# Altium PCB QUDONG.PcbDoc
Units mil, origin at the board's own origin, x right, y up, seen from the top; angles counter-clockwise.
Board outline 2667.32 x 1742.13 mil, 2 copper layers (Top Layer, Bottom Layer); 45 components, 26 nets, 119 pads, 18 vias.
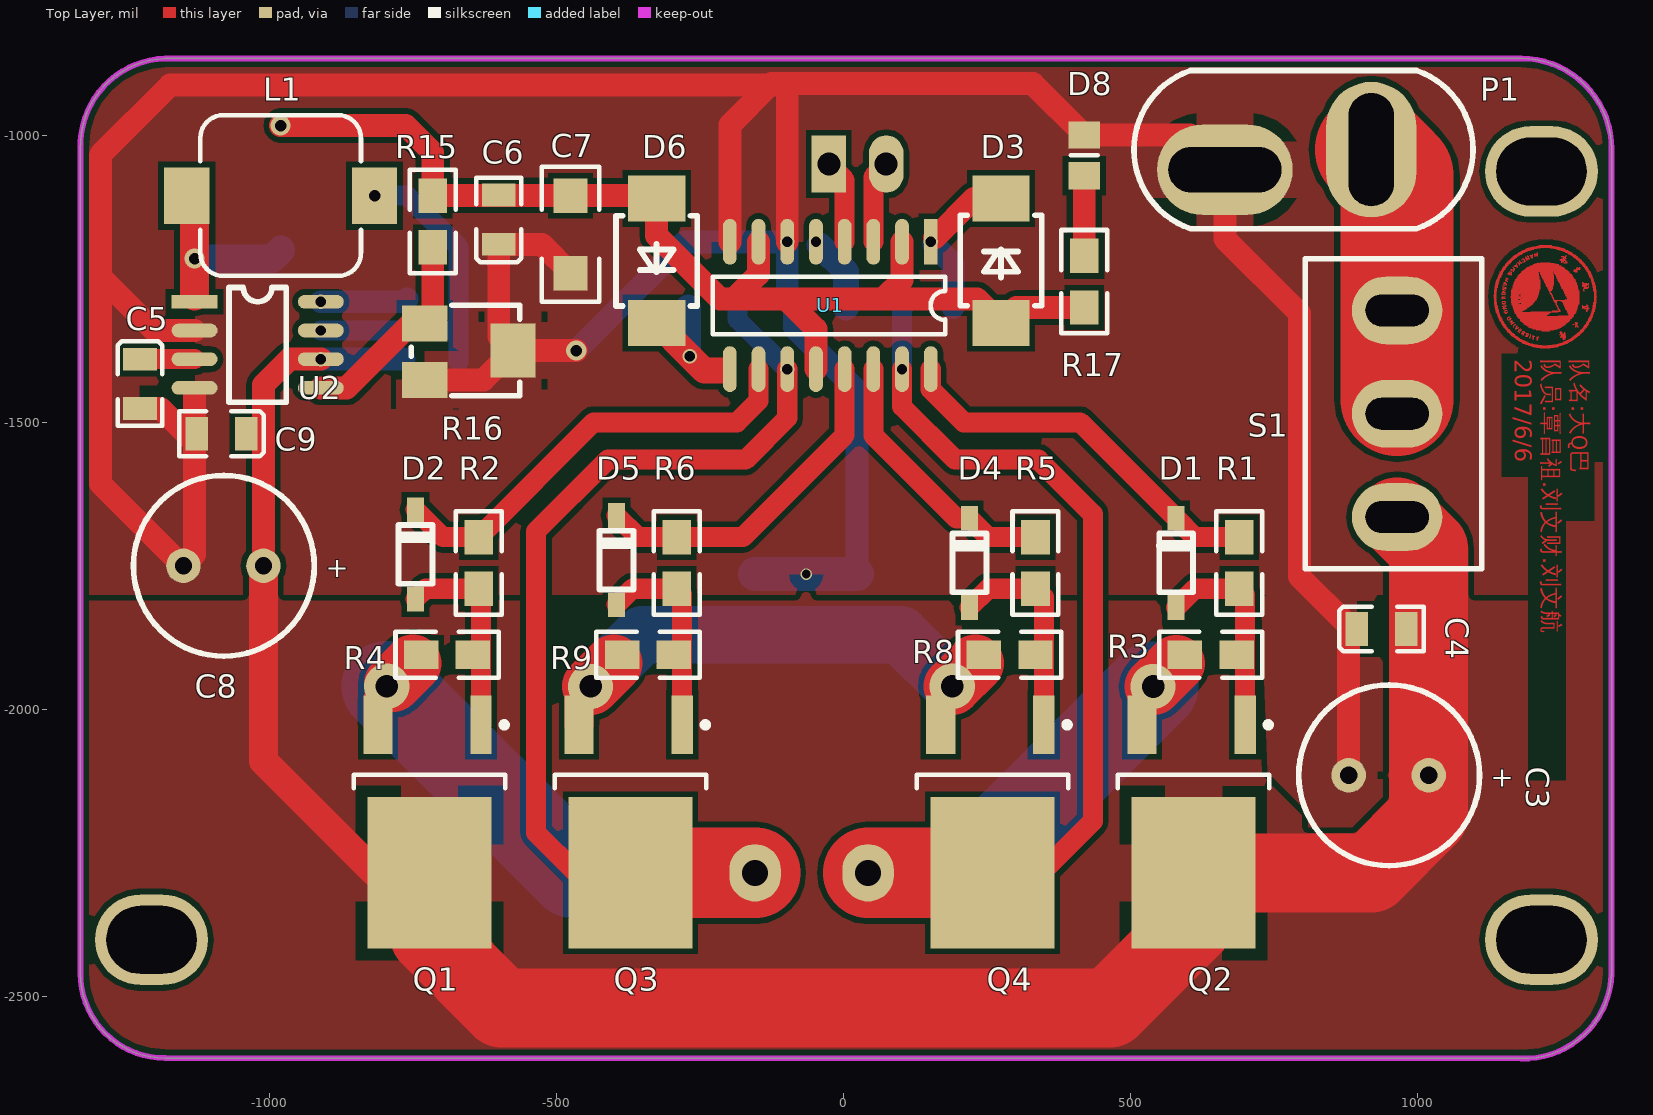
[diagram p0: Top Layer view]
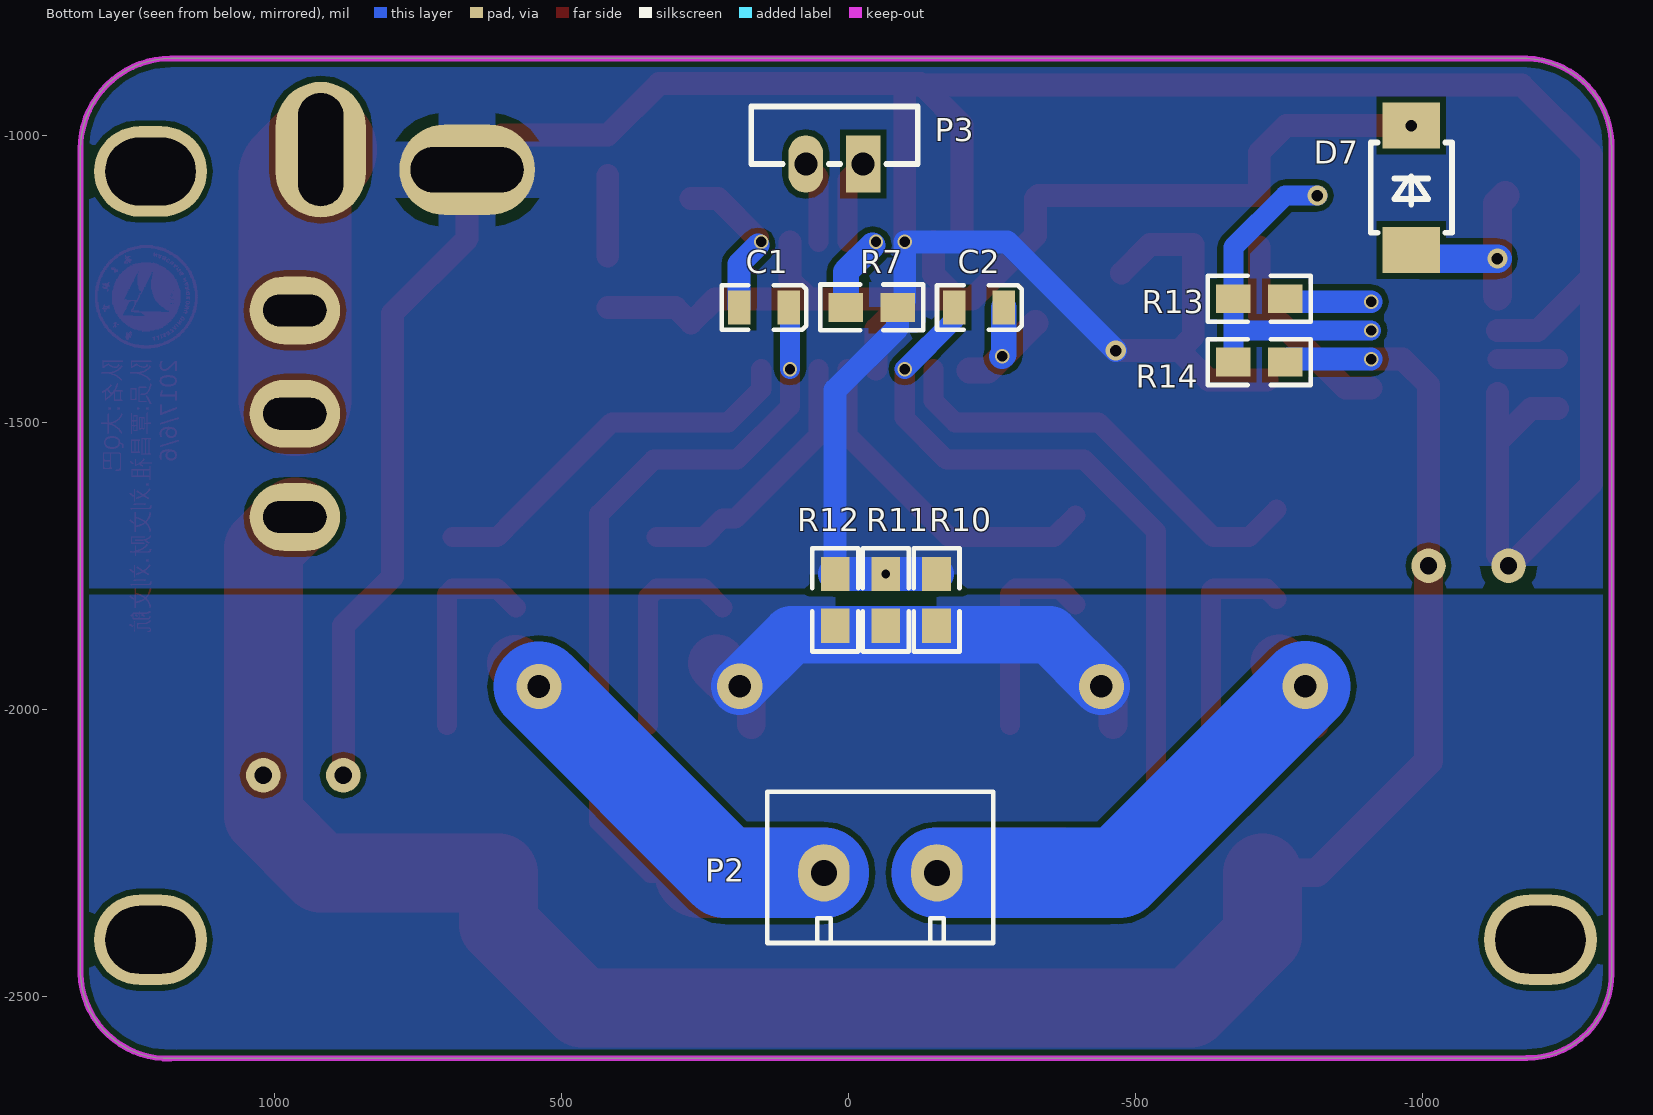
[diagram p1: Bottom Layer view, seen from below]
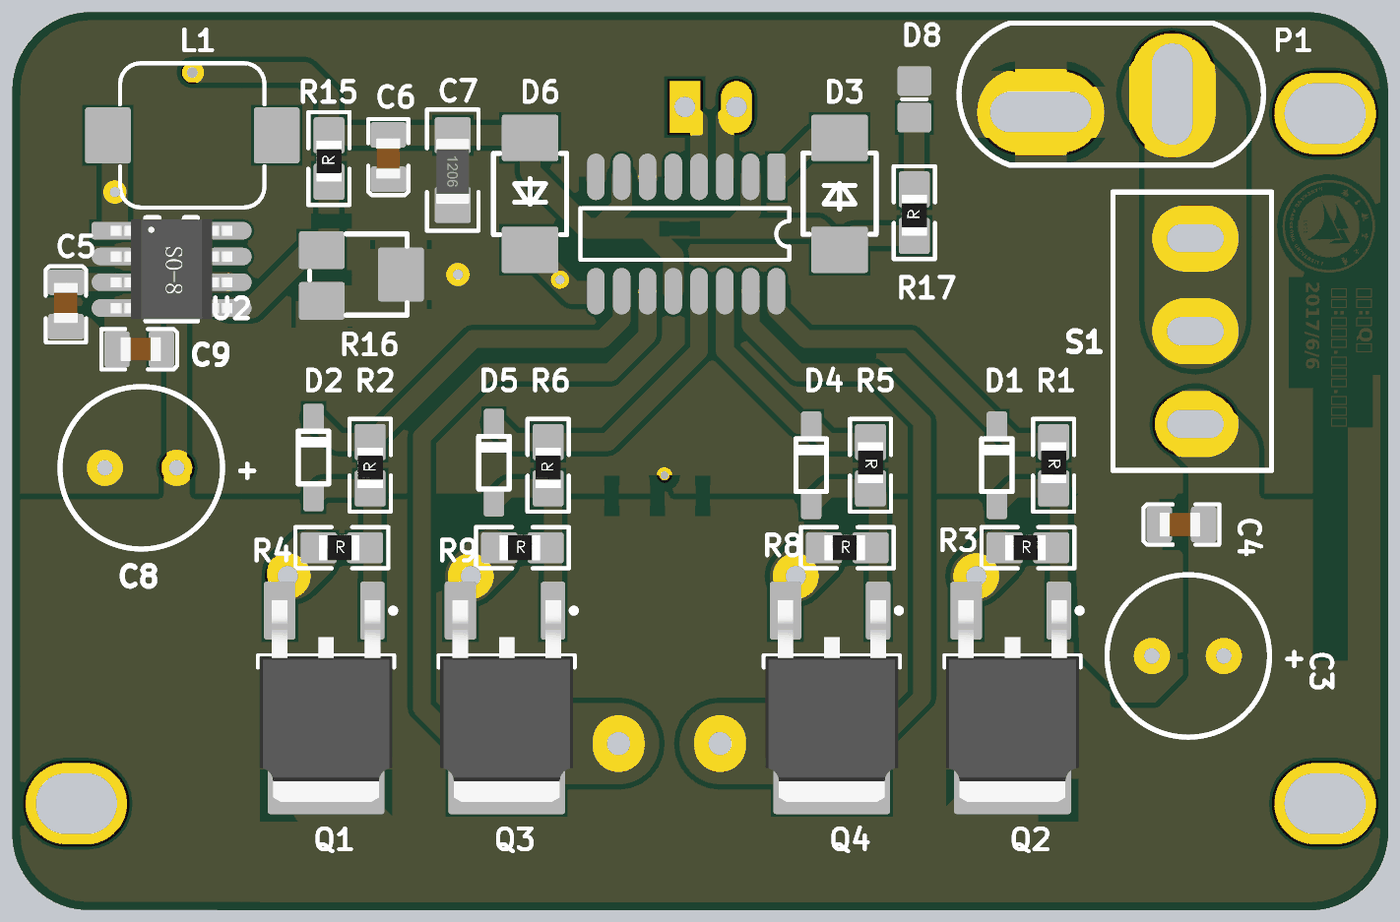
[diagram p2: 3D render of the assembled board from above, using the file's embedded part models]
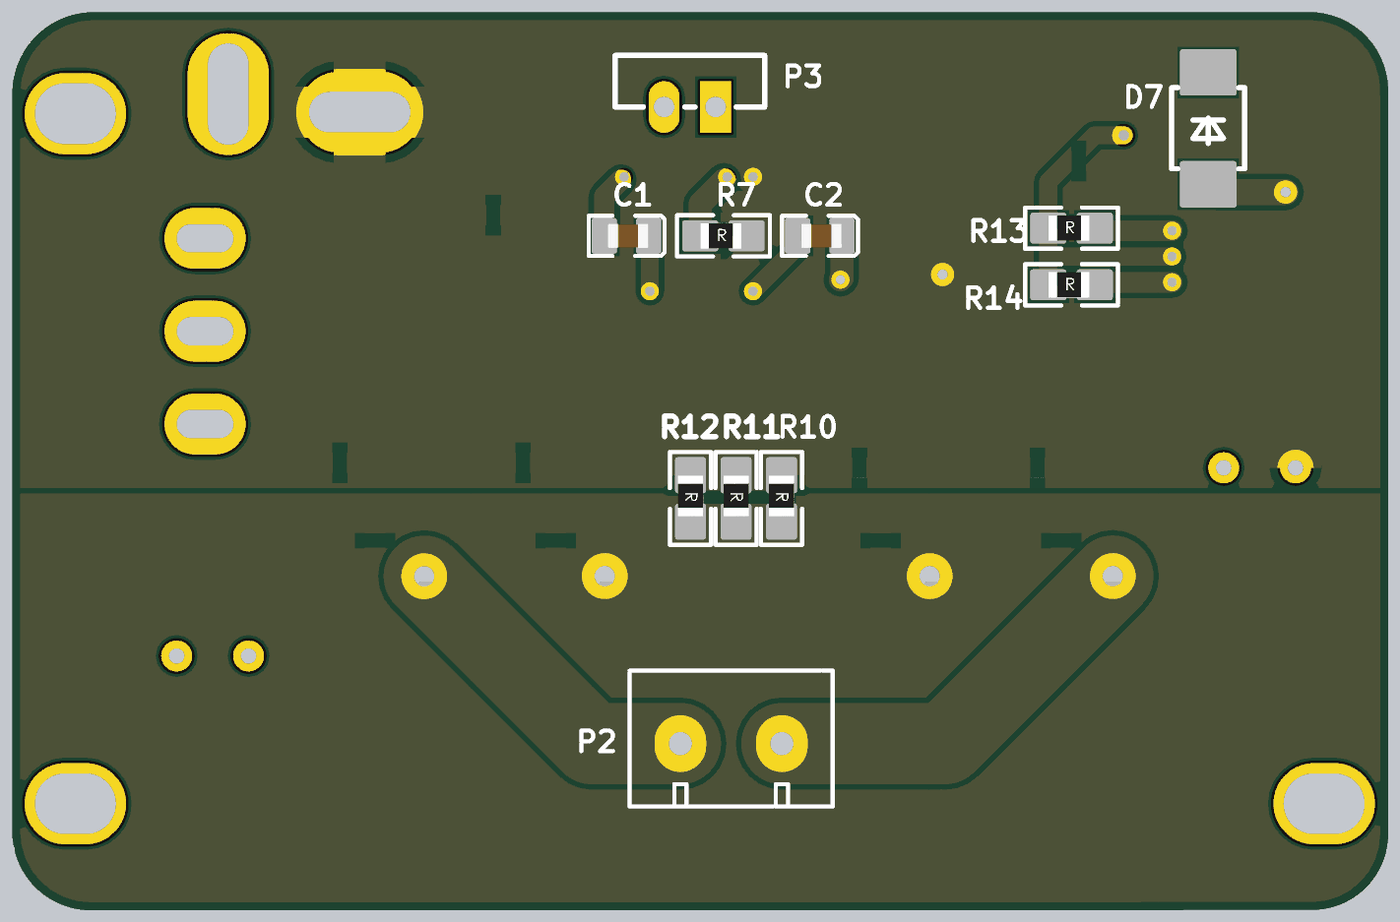
[diagram p3: 3D render of the assembled board from below, using the file's embedded part models]

## Layer stack, top to bottom
Top Solder: solder mask 0.4, Solder Resist, Dk 3.5
Top Layer: signal copper 1.4
Dielectric 1: dielectric 12.6, FR-4, Dk 4.8
Bottom Layer: signal copper 1.4
Bottom Solder: solder mask 0.4, Solder Resist, Dk 3.5

## Board outline
-1328.74,-2460.63 -1328.74,-1023.62 cw(c-1176.18,-1018.7) -1181.1,-866.14 1181.1,-866.14 cw(c1181.1,-1023.62) 1338.58,-1023.62 1338.58,-2460.63 cw(c1186.02,-2455.71) 1181.1,-2608.27 -1181.1,-2607.61 cw(c-1181.43,-2460.3)

## Design rules (kind name [scope] priority, off if disabled: settings)
Clearance [All] p1: gap=10
ComponentClearance [All] p1: gap=10 collisioncheckmode=3 verticalgap=0 showdistances=FALSE
HoleSize [All] p1: absolutevalues=TRUE maxlimit=200 minlimit=6 maxpercent=80.000 minpercent=20.000
MinimumSolderMaskSliver [All] p1: minsoldermaskwidth=2
PasteMaskExpansion [All] p1: expansion=5
PlaneClearance [All] p1: clearance=30
PlaneConnect [All] p1: planeconnectstyle=Relief reliefexpansion=30 reliefentries=4 reliefconductorwidth=100 reliefairgap=20
PolygonConnect [All] p1: connectstyle=Relief reliefconductorwidth=100 reliefentries=4 polygonreliefangle="90 Angle" airgapwidth=20
RoutingVias [All] p1: holewidth=20 width=50 viastyle="Through Hole" minholewidth=6 minwidth=6 maxholewidth=196.85 maxwidth=196.85
SilkToSilkClearance [All] p1: silktosilkclearance=0
SilkToSolderMaskClearance [IsPad] p1: minsilkscreentomaskgap=0 clearancetoexposedcopper=TRUE
SolderMaskExpansion [All] p1: expansion=5
Width D_GND [InNet('D_GND')] p1: maxlimit=200 minlimit=40 preferedwidth=150
Width GND [InNet('GND')] p2: maxlimit=200 minlimit=30 preferedwidth=150
Width power [InNet('NetC4_1')] p3: maxlimit=200 minlimit=40 preferedwidth=140
Width [All] p4: maxlimit=200 minlimit=20 preferedwidth=35
22 further rules are at their usual default settings.

## Components (designator, comment, footprint, x,y, rotation, side; value= is the part's Value field where it differs from the comment)
C1 "1uF" C-0805 105,-1300 r0 bottom
C2 "1uF" C-0805 -270,-1300 r0 bottom
C3 "Cap Pol2" CAP-E1 1020,-2115 r0 top
C4 "Cap" C-0805 895,-1860 r0 top
C5 "Cap" C-0805 -1225,-1390 r270 top
C6 "Cap" C-0805 -600,-1190 r90 top
C7 "Cap Pol2" 1206 -475,-1105 r270 top
C8 "Cap Pol2" CAP-E1 -1010,-1750 r0 top
C9 "Cap" C-0805 -1040,-1520 r180 top
D1 "SS14" SOT-123 580,-1745 r90 top
D2 "SS14" SOT-123 -745,-1730 r90 top
D3 "SS14" DO214AA 275,-1222 r90 top
D4 "SS14" SOT-123 220,-1745 r90 top
D5 "SS14" SOT-123 -395,-1740 r90 top
D6 "SS14" DO214AA -325,-1215 r270 top
D7 "SS14" DO214AA -980,-1095 r90 bottom
D8 "LED0" 6-0805_N 420,-1035 r90 top
L1 "220uH" L-SMD-7 -980,-1105 r0 top
P1 "Header 2" T型插头(公) 920,-1025 r180 top
P2 "Header 2" 接线柱 -55,-2285 r180 bottom
P3 "Header 2" 2PIN-弯 -25,-1050 r0 bottom
Q1 "IRF3205" TO-252AA_M -720.69,-2300.25 r180 top
Q2 "IRF3205" TO-252AA_M 610.31,-2300.25 r180 top
Q3 "IRF3205" TO-252AA_M -370.35,-2300.25 r180 top
Q4 "IRF3205" TO-252AA_M 259.98,-2300.25 r180 top
R1 "33" 0805 690,-1740 r270 top
R2 "33" 0805 -635,-1750 r90 top
R3 "10K" 0805 635.31,-1905 r0 top
R4 "10K" 0805 -694.96,-1905 r0 top
R5 "33" 0805 335,-1740 r270 top
R6 "33" 0805 -290,-1750 r90 top
R7 "10K" 0805 -35,-1300 r180 bottom
R8 "10K" 0805 285,-1905 r0 top
R9 "10K" 0805 -344.87,-1905 r0 top
R10 "Res2" 0805 -152.8,-1804.33 r270 bottom
R11 "Res2" 0805 -64.53,-1804.33 r270 bottom
R12 "Res2" 0805 23.74,-1804.33 r270 bottom
R13 "Res2" 0805 -710,-1285 r180 bottom
R14 "Res2" 0805 -710,-1395 r180 bottom
R15 "Res2" 0805 -715,-1155 r90 top
R16 "RES-ADJ" T-3224w -595,-1375 r180 top
R17 "Res2" 0805 420,-1260 r90 top
S1 "SW-SPDT" SWITCH_B 965,-1485 r90 top
U1 "HIP4082" SO-16N 152.48,-1194.53 r270 top
U2 "MCG34065A" SO-8 -1130,-1290 r0 top

## Footprints (in the part's own frame and the unit in brackets; to place one, negate y for a bottom-side part, rotate by r counter-clockwise, add the part's x,y. Pads: shape width x height; smd on the part's side, far side on the other; paste and mask are expansions set on the pad)
2PIN-弯 [mil]
  rect 60x100 hole 40: 1(0,0)
  oval 60x100 hole 40: 2(100,0)
  silkscreen extent -95,-100 195,0
6-0805_N [mm] "Chip Resistor, Body 2.0x1.2mm, IPC Medium Density"
  rect 1.2x1.4 smd: 1(-0.9,0) 2(0.9,0)
  silkscreen extent 0,-0.6 0,0.6, body extent -1.07,-0.7 1.07,0.7, height 0.7
0805 [mil]
  rect 60x50 smd: 1(-40,0) 2(50,0)
  silkscreen extent -85,-40 95,40, body extent -39,-24 39,29, height 26
1206 [mil]
  rect 60x60 smd: 1(0,0) 2(135,0)
  silkscreen extent -50,-50 185,50, body extent 7,-32 133,32, height 23
C-0805 [mm]
  rect 1x1.5 smd: 1(0,0) 2(2.184,0)
  silkscreen extent -0.79,-0.99 2.96,0.99, body extent 0.02,-0.6 2.02,0.6, height 0.95
CAP-E1 [mil]
  round 60 hole 30: 1(0,0) 2(-139.37,0)
  silkscreen extent -226,-157 89,157
DO214AA [mil]
  rect 80x100 smd: 1(-105,0) 2(112,0)
  silkscreen extent -75,-71 82,71
L-SMD-7 [mm] "贴片电感7*7"
  rect 2x2.5 smd: 1(-4.156,0) 2(4.156,0)
  silkscreen extent -3.56,-3.56 3.56,3.56, body extent -3.56,-3.56 3.56,3.56, height 4
SO-8 [mil]
  rect 80x24 smd: 1(0,0)
  oval 80x24 smd: 2(0,-50) 3(0,-100) 4(0,-150) 5(220,-150) 6(220,-100) 7(220,-50) 8(220,0)
  silkscreen extent 60,-175 160,25, body extent -8,-171 228,21, height 67
SO-16N [mil]
  rect 80x24 smd: 1(-9,0.1)
  oval 80x24 smd: 2(-9,-49.9) 3(-9,-99.9) 4(-9,-149.9) 5(-9,-199.9) 6(-9,-249.9) 7(-9,-299.9) 8(-9,-349.9) 9(212.9,-349.9) 10(212.9,-299.9) 11(212.9,-249.9) 12(212.9,-199.9) 13(212.9,-149.9) 14(212.9,-99.9) 15(212.9,-49.9) 16(212.9,0.1)
  silkscreen extent 52,-380 152,25
SOT-123 [mm]
  rect 1.1x0.75 smd: 1(-1.975,0) 2(1.975,0)
  silkscreen extent -1.3,-0.75 1.3,0.75
SWITCH_B [mm]
  oval 3x4 hole 1.4 slot 2.8 at 90 deg: 1(-4.572,0) 2(0,0) 3(4.572,0)
  silkscreen extent -6.86,-3.75 6.86,4.06
T-3224w [mm]
  rect 2x1.6 smd: 1(3.4,-1.2) 3(3.4,1.3)
  rect 2x2.4 smd: 2(-0.5,0)
  silkscreen extent -0.8,-2 4,2
TO-252AA_M [mm] "D-PAK, 4-Leads, Body 6.1x6.5mm, Pitch 2.28mm, Lead Span 9.8mm, IPC Low Density"
  rect 0.95x2.6 smd: 1(-2.28,-6.94)
  rect 1.3x2.6 smd: 3(2.28,-6.94)
  rect 5.5x6.7 smd: 4(0,-0.39)
  silkscreen extent -3.43,-7.06 3.35,-4.14, body extent -3.27,-7.44 3.27,2.5, height 2.39
T型插头(公) [mm]
  oval 4x6 hole 2 slot 5 at 90 deg: 1(0,0)
  oval 6x4 hole 2 slot 5 at 0 deg: 2(6.477,0.889)
  silkscreen extent -4.5,-3.5 10.5,3.5
接线柱 [mil]
  oval 90x100 hole 45: 1(-98.43,0) 2(98.43,0)
  silkscreen extent -197,-122 197,142

## Part data
C1 C2: library part CAP, "Capacitor"
C3 C7 C8: "Polarized Capacitor (Axial)"
C4 C5 C6 C9: "Capacitor"
D1 D2 D3 D4 D5 D6: library part "Diode 1N4148", "High Conductance Fast Diode"
D7: library part Diode, "Default Diode"
D8: "Typical INFRARED GaAs LED"
L1: library part L-D-SMD, "磁芯电感"
P1 P2 P3: "Header, 2-Pin"
Q1 Q2 Q3 Q4: library part IRLR7843
R1 R2 R3 R4 R5 R6 R7 R8 R9: library part RES
R10 R11 R12 R13 R14 R15 R17: "Resistor"
S1: "SPDT Subminiature Toggle Switch, Right Angle Mounting, Vertical Actuation"

## Free pads (board coordinates)
  oval 196.85x157.48 hole 118.11 slot 157.48 at 0 deg: 0(-1204.83,-2401.57) 0(1216.43,-2401.57) 0(1216.43,-1062.99)

## Via types
v1: diameter 25, hole 18, Top Layer to Bottom Layer, 9 vias
v2: diameter 78.74, hole 39.37, Top Layer to Bottom Layer, 4 vias
v3: diameter 35, hole 20, Top Layer to Bottom Layer, 4 vias
v4: diameter 20, hole 15, Top Layer to Bottom Layer, 1 vias

## Nets (pads, with @x,y where several pads share a name; then routed paths per layer and width w, separated by ;. In a path a pad name is that pad's centre, name@x,y a point inside that pad or via, vN(x,y) a via of type N, cw(c..) or ccw(c..) an arc to the next point about the centre after c; other vN are vias at no path point)
D_GND: Q3.3 Q4.3 R8.1 R9.1 R10.2 R11.2 R12.2 | length 968.3
  Top Layer w50: Q3.3 -460.12,-1980.25 v2(-440,-1960.13) ; Q4.3 170.22,-1979.78 v2(190,-1960)
  Top Layer w100: v2(-440,-1960.13) R9.1@-399.93,-1920.07 ; v2(190,-1960) R8.1@230,-1920
  Bottom Layer w100: v2(-440,-1960.13) -349.87,-1870 100,-1870 v2(190,-1960)
GND: C3.2 C4.1 C5.2 C6.1 C7.2 C8.2 C9.2 D8.2 P1.2 R7.2 R10.1 R11.1 R12.1 R16.2 R16.3 U1.6 U1.8 U2.2 U2.4 | length 7115.7
  Top Layer w40: C5.2@-1235,-1476 -1189,-1476 C9.2@-1130,-1535 ; C8.2@-1150,-1750.63 -1293.74,-1606.89 -1293.74,-1246.26 ; C8.2 -1130,-1730.63 C9.2@-1130,-1535 ; U2.4@-1130,-1450 C9.2@-1130,-1535 ; U2.2 -1200,-1340 -1293.74,-1246.26 ; R16.3 -626.5,-1426.18 R16.2 ; C7.2 -525,-1190 C6.1 -600,-1350.31 R16.2 ; v3(-465,-1375) R16.2 ; U1.8 -197.42,-982.42 -127.42,-912.42 ; v1(-97.42,-1185.53) -97.42,-912.42 -127.42,-912.42 ; C3.2 880.63,-1854.37 795,-1768.74 795,-1310 665,-1180 P1.2 604.57,-999.57 D8.2 330.43,-910 -125,-910 -127.42,-912.42 ; -1293.74,-1246.26 -1293.74,-1035.25 -1293.05,-1034.56 -1293.05,-1033.05 -1172.42,-912.42 -127.42,-912.42
  Bottom Layer w40: v3(-465,-1375) -275.53,-1185.53 v1(-97.42,-1185.53) -97.42,-1287.58 R7.2 -85,-1335 23.74,-1443.74 R12.1
  Bottom Layer w60: R10.1 v4(-64.53,-1764.33) R12.1
NetC1_1: C1.1 P2.1 Q2.3 Q4.4 R3.1 U1.15 | length 2310.1
  Top Layer w35: v1(102.58,-1407.43) 102.58,-1472.58 195,-1565 340,-1565 435,-1660 435,-2195 345.1,-2284.9 Q4.4 ; Q2.3 Q2.3@520.55,-1979.76
  Top Layer w50: Q2.3@520.55,-1979.76 v2(540,-1960.31)
  Top Layer w100: v2(540,-1960.31) R3.1@580.16,-1920.16
  Top Layer w157.48: P2.1 43.53,-2284.9 Q4.4
  Bottom Layer w35: v1(102.58,-1407.43) 102.58,-1302.42 C1.1
  Bottom Layer w157.48: P2.1 215.31,-2285 v2(540,-1960.31)
NetC1_2: C1.2 D3.2 U1.1 | length 266.5
  Top Layer w40: U1.1@159.06,-1179.05 228.11,-1110 D3.2
  Bottom Layer w40: v1@158.53,-1191.47 191,-1223.95 C1.2
  other v1: 152.58,-1185.53
NetC2_1: C2.1 D6.2 U1.9 | length 235.6
  Top Layer w45: D6.2 v1(-267,-1385) -242,-1410 -210,-1410
  Bottom Layer w45: C2.1 -270,-1382 v1(-267,-1385)
NetC2_2: C2.2 P2.2 Q1.3 Q3.4 R4.1 U1.11 | length 2581.6
  Top Layer w35: Q3.4 -465.1,-2284.9 -535,-2215 -535,-1690 -410,-1565 -170,-1565 -97.42,-1492.42 v1(-97.42,-1407.43)
  Top Layer w50: Q1.3 -810.45,-1980.49 -790,-1960.04 v2@-790.04,-1960 ; v2(-795.02,-1960) v2@-790.04,-1960 ; v2@-784.98,-1955.02 -789.96,-1960 v2@-790.04,-1960
  Top Layer w100: v2@-784.98,-1955.02 R4.1@-749.98,-1920.02
  Top Layer w157.48: Q3.4 -153.53,-2284.9 P2.2
  Bottom Layer w35: C2.2 -184,-1320.84 v1(-97.42,-1407.43)
  Bottom Layer w157.48: v2(-795.02,-1960) -470.02,-2285 ; -455.04,-2285 P2.2
NetC3_1: C3.1 C4.2 C8.1 C9.1 Q1.4 Q2.4 R14.2 S1.1 U2.6 | length 3925
  Top Layer w40: C8.1 -1010,-1435 -965,-1390 v1(-910,-1390)
  Top Layer w50: C8.1 -1010,-2090 -815.1,-2284.9 Q1.4
  Top Layer w137.8: Q1.4 -720.69,-2394.31 -595,-2520 465,-2520 610.31,-2374.69 Q2.4 920.1,-2284.9 1020,-2185 C3.1 1020,-1720 S1.1
  Bottom Layer w40: v1(-910,-1390) R14.2@-765,-1390
NetC5_1: C5.1 U2.3 | length 105
  Top Layer w35: C5.1@-1235,-1390 U2.3
NetC6_2: C6.2 C7.1 D3.1 D6.1 D7.2 R15.2 R17.1 U1.2 U1.7 U1.12 | length 2010
  Top Layer w40: v3(-980,-983) -762,-983 -715,-1030 R15.2 -330,-1105 D6.1 -325,-1175 -215,-1285 -190,-1285 ; U1.7 -147.42,-1242.42 -190,-1285 ; U1.12 -47.42,-1337.58 -100,-1285 ; U1.2 102.58,-1252.42 70,-1285 ; R17.1 302,-1300 D3.1 233,-1285 70,-1285 ; -190,-1285 -100,-1285 ; -100,-1285 70,-1285
NetD1_1: D1.1 Q2.1 R1.2 R3.2 | length 364.8
  Top Layer w35: D1.1 612.76,-1790 R1.2 700.08,-1800.08 Q2.1
NetD1_2: D1.2 R1.1 U1.16 | length 679.2
  Top Layer w35: U1.16 152.58,-1442.58 210,-1500 412.76,-1500 D1.2 612.76,-1700 R1.1
NetD2_1: D2.1 Q1.1 R2.1 R4.2 | length 356.1
  Top Layer w35: D2.1 -727.24,-1790 R2.1 -630.92,-1794.08 Q1.1
NetD2_2: D2.2 R2.2 U1.10 | length 770.8
  Top Layer w35: D2.2 -697.24,-1700 R2.2 -435,-1500 -185,-1500 -147.42,-1462.42 U1.10
NetD4_1: D4.1 Q4.1 R5.2 R8.2 | length 371.7
  Top Layer w35: D4.1 252.76,-1790 R5.2 349.75,-1804.75 Q4.1
NetD4_2: D4.2 R5.1 U1.14 | length 471.1
  Top Layer w35: U1.14 52.58,-1522.58 197.24,-1667.24 D4.2 252.76,-1700 R5.1
NetD5_1: D5.1 Q3.1 R6.1 R9.2 | length 357.4
  Top Layer w35: D5.1 -367.24,-1790 R6.1 -280.59,-1799.41 Q3.1
NetD5_2: D5.2 R6.2 U1.13 | length 601.8
  Top Layer w35: D5.2 -357.24,-1700 R6.2 -175,-1700 2.58,-1522.42 U1.13
NetD7_1: D7.1 L1.1 U2.1 | length 336.9
  Top Layer w50: L1.1 -1130,-1118.62 v3(-1130,-1215) U2.1@-1130,-1280
  Bottom Layer w50: v3(-1130,-1215) -995,-1215 D7.1
NetD8_1: D8.1 R17.2 | length 139.6
  Top Layer w40: R17.2 D8.1
NetL1_2: L1.2 R13.1 R14.1 U2.7 | length 623.7
  Bottom Layer w35: v1(-910,-1340) -670,-1340 ; v3(-816.38,-1105) -760,-1105 -670,-1195 R13.1 -670,-1340 ; R14.1 -670,-1340
NetP1_1: P1.1 S1.2 S1.3 | length 446.6
  Top Layer w196.85: P1.1 P1.1@960,-1065 ; S1.2@965,-1460 S1.3 P1.1@965,-1070
NetP3_1: P3.1 U1.4 | length 147
  Top Layer w35: P3.1 2.58,-1077.58 U1.4
NetP3_2: P3.2 U1.3 | length 144.8
  Top Layer w35: U1.3 52.58,-1072.42 P3.2
NetR7_1: R7.1 U1.5 | length 127.8
  Bottom Layer w45: v1@-41.47,-1191.47 5,-1237.95 R7.1
  other v1: -47.42,-1185.53
NetR13_2: R13.2 U2.8 | length 152.1
  Bottom Layer w40: v1(-910,-1290) -765,-1290 R13.2
NetR15_1: R15.1 R16.1 U2.5 | length 346.5
  Top Layer w40: U2.5 -865,-1440 -752.76,-1327.76 R16.1 ; R16.1@-715,-1313.9 R15.1
copper on no net: | length 11480